# Altium PCB LimeSDR-X3_1v1.PcbDoc (part 23 of 25)
Units mm, origin at the board's own origin, x right, y up, seen from the top; angles counter-clockwise.
Board outline 232.5 x 111.15 mm, 12 copper layers (Top, L2, L3, L4, L5, L6, L7, L8, L9, L10, L11, Bottom), stack 1.596 mm thick; 2068 components, 1388 nets, 8930 pads, 3646 vias.
Unrouted connection lines stored in the file: 1.
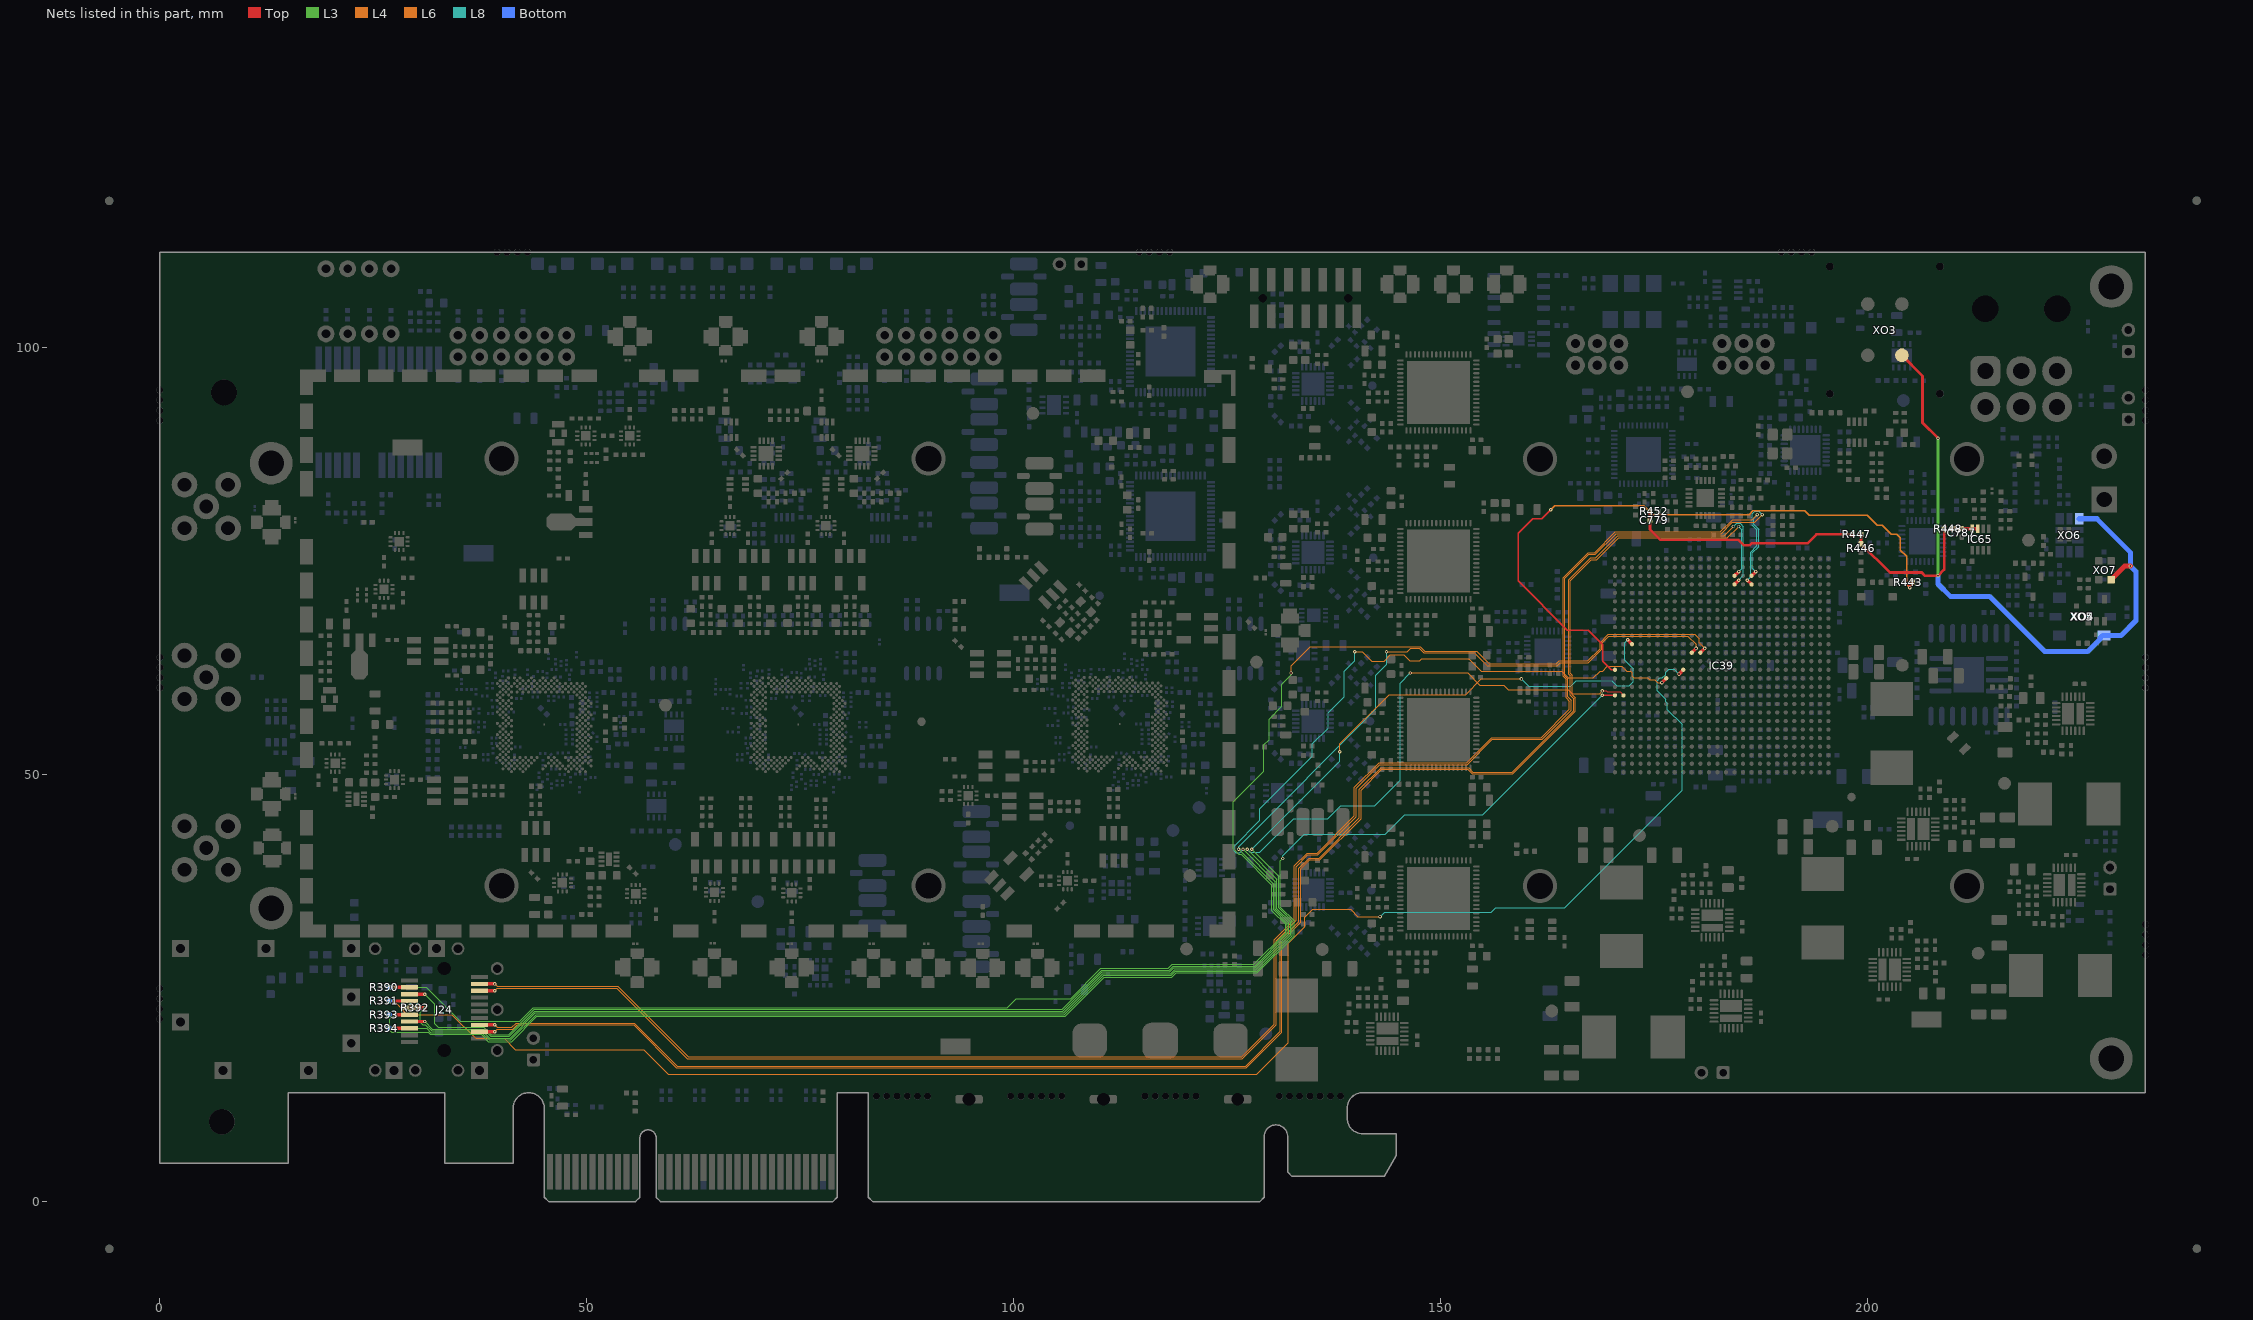
[diagram p33: the nets of this part, all layers, seen from the top]

## Via types
v1: diameter 0.4, hole 0.2, Top to Bottom, tented both sides, 3063 vias
v2: diameter 0.35, hole 0.2, Top to Bottom, tented both sides, 272 vias
v3: diameter 0.5, hole 0.2, Top to Bottom, tented bottom, 196 vias
v4: diameter 0.5, hole 0.2, Top to Bottom, tented both sides, 102 vias
v5: diameter 0.8, hole 0.4, Top to Bottom, tented both sides, 13 vias

## Nets (pads, with @x,y where several pads share a name; then routed paths per layer and width w, separated by ;. In a path a pad name is that pad's centre, name@x,y a point inside that pad or via, vN(x,y) a via of type N, cw(c..) or ccw(c..) an arc to the next point about the centre after c; other vN are vias at no path point) (continued)
WR_PTP_SFP_LOS: IC39.T24 J24.8 R394.2 | length 186.7
  Top w0.4: v1(27.391,20.291) J24.8@29.199,20.291 ; v1(171.875,65.775) IC39.T24@172.375,65.275
  L3 w0.1: v1(27.391,20.291) 31.241,20.291 31.732,19.8 32.015,19.8 32.016,19.799 37.684,19.799 38.542,18.941 41.091,18.941 44.049,21.899 105.907,21.899 110.507,26.499 118.416,26.499 118.892,26.975 128.425,26.975 132.601,31.151 132.601,32.799 131,34.4 131,38.1 v1(127.85,41.25)
  L8 w0.1: v1(127.85,41.25) 138.15,51.55 v1(138.15,52.675) ; v1(159.425,61.2) 160.275,60.35 165.175,60.35 165.825,61 170.025,61 170.6,60.425 172.075,60.425 172.525,60.875 172.525,62.4 171.525,63.4 171.525,65.425 v1(171.875,65.775)
  L6 w0.1: v1(138.15,52.675) 138.15,53.6 143.925,59.375 152.875,59.375 154.7,61.2 v1(159.425,61.2)
  Bottom w0.4: R394.2@26.766,20.291 v1(27.391,20.291)
WR_PTP_SFP_MOD_DEF0: IC39.K26 J24.6 R393.2 | length 172.9
  Top w0.2: v1(168.9,59.275) IC39.K26@170.375,59.275
  Top w0.4: v1(27.391,21.891) J24.6@29.199,21.891
  L3 w0.1: v1(27.391,21.891) 26.9,21.4 26.9,20.075 27.125,19.85 31.399,19.85 31.649,19.6 31.932,19.6 31.933,19.599 37.601,19.599 38.459,18.741 41.174,18.741 44.132,21.699 105.99,21.699 110.59,26.299 118.499,26.299 118.975,26.775 128.508,26.775 132.801,31.068 132.801,32.882 131.2,34.483 131.2,39.9 v1(131.475,40.175)
  L8 w0.1: v1(131.475,40.175) 131.475,40.525 133.975,43.025 143.5,43.025 145.75,45.275 154.9,45.275 v1(168.9,59.275)
  Bottom w0.4: R393.2@26.766,21.891 v1(27.391,21.891)
WR_PTP_SFP_MOD_DEF1: IC39.K25 J24.5 R392.2 | length 185.1
  Top w0.1: v1(168.9,59.8) 169.35,59.8 169.475,59.675 170.975,59.675 IC39.K25@171.375,59.275
  Top w0.4: J24.5@29.199,22.691 v1(31.007,22.691)
  L3 w0.1: v1(31.007,22.691) 30.475,22.159 30.475,21 30.75,20.725 31.09,20.725 31.815,20 32.098,20 32.099,19.999 37.767,19.999 38.625,19.141 41.008,19.141 43.966,22.099 105.824,22.099 110.424,26.699 118.333,26.699 118.809,27.175 128.342,27.175 132.401,31.234 132.401,32.716 130.8,34.317 130.8,37.775 v1(127.325,41.25)
  L4 w0.1: v1(146.4,61.9) 153.15,61.9 154.565,60.485 157.34,60.485 157.875,59.95 164.881,59.95 165.356,59.475 168.575,59.475 v1(168.9,59.8)
  L8 w0.1: v1(127.325,41.25) 127.675,40.9 128.8,40.9 132.75,44.85 136.725,44.85 138.25,46.375 142.25,46.375 145.225,49.35 145.225,60.725 v1(146.4,61.9)
  Bottom w0.4: R392.2@30.382,22.691 v1(31.007,22.691)
WR_PTP_SFP_MOD_DEF2: IC39.N18 J24.4 R391.2 | length 197.1
  Top w0.4: v1(27.391,23.491) J24.4@29.199,23.491 ; v1(177.875,61.775) IC39.N18@178.375,62.275
  L8 w0.1: v1(142.875,33.375) 143.4,33.9 155.9,33.9 156.4,34.4 164.5,34.4 178.275,48.175 178.275,55.872 176.525,57.622 176.525,58.3 176.3,58.525 176.3,58.85 175.325,59.825 175.325,60.725 175.325,61.003 175.647,61.325 175.937,61.325 176.325,61.713 176.325,62.003 176.647,62.325 177.325,62.325 v1(177.875,61.775)
  L6 w0.1: v1(27.391,23.491) 28.982,21.9 34.175,21.9 36.975,19.1 40.3,19.1 41.6,17.8 56.65,17.8 59.525,14.925 128.45,14.925 132.1,18.575 132.1,30.25 134.05,32.2 134.05,33.3 134.975,34.225 139.425,34.225 140.275,33.375 v1(142.875,33.375)
  Bottom w0.4: R391.2@26.766,23.491 v1(27.391,23.491)
WR_PTP_SFP_RATE_SEL: IC39.M20 J24.7 | length 191.7
  Top w0.4: J24.7@29.199,21.091 v1(31.007,21.091) ; v1(175.875,60.775) IC39.M20@176.375,61.275
  L3 w0.1: v1(31.007,21.091) 31.898,20.2 37.849,20.2 38.708,19.341 40.924,19.341 43.883,22.3 105.741,22.3 110.341,26.9 118.25,26.9 118.726,27.376 128.259,27.376 132.2,31.317 132.2,32.633 130.6,34.233 130.6,37.475 v1(126.825,41.25)
  L4 w0.1: v1(139.9,64.4) 140.8,64.4 141.9,63.3 143.35,63.3 144.075,64.025 145.625,64.025 146.325,63.325 147.525,63.325 147.775,63.575 153.275,63.575 154.725,62.125 164.121,62.125 164.921,61.325 167.825,61.325 168.625,62.125 168.925,62.125 169.5,62.7 171.2,62.7 171.775,62.125 172.2,62.125 172.4,61.925 172.4,61.525 172.6,61.325 174.241,61.325 174.441,61.125 175.025,61.125 175.375,60.775 v1(175.875,60.775)
  L8 w0.1: v1(126.825,41.25) 126.425,40.85 125.95,40.85 125.775,41.025 125.775,41.625 128.8,44.65 128.8,46 134.95,52.15 134.95,53.625 136.775,55.45 136.775,57.225 138.675,59.125 138.675,62.1 139.9,63.325 v1(139.9,64.4)
WR_PTP_SFP_RD_N: IC39.AD12 J24.12 | length 204.5
  Top w0.4: J24.12@37.399,19.891 v1(39.207,19.891) ; IC39.AD12@184.375,73.275 v1(184.875,73.775)
  L8 w0.1: v1(184.85,79.05) 185.225,78.675 185.225,74.125 v1(184.875,73.775)
  L6 w0.1: v1(39.207,19.891) 39.507,20.191 41.299,20.191 41.808,20.7 55.45,20.7 60.475,15.675 127.203,15.675 131.375,19.847 131.375,30.5 133.575,32.7 133.575,38.95 134.65,40.025 135.821,40.025 140.65,44.854 140.65,48.175 143.075,50.6 152.325,50.6 153.15,50.6 153.65,50.1 158.425,50.1 165.725,57.4 165.725,58.975 165.35,59.35 165.35,61.644 165.15,61.844 165.15,72.725 167.6,75.175 168.233,75.175 170.808,77.75 183.55,77.75 v1(184.85,79.05)
WR_PTP_SFP_RD_P: IC39.AC12 J24.13 | length 206.2
  Top w0.4: J24.13@37.399,20.691 v1(39.207,20.691) ; IC39.AC12@184.375,72.275 v1(184.875,72.775)
  L8 w0.1: v1(184.25,79.05) 184.625,79.425 185.05,79.425 185.425,79.05 185.425,73.325 v1(184.875,72.775)
  L6 w0.1: v1(39.207,20.691) 39.507,20.391 41.216,20.391 41.725,20.9 55.533,20.9 60.558,15.875 127.12,15.875 131.175,19.93 131.175,30.583 133.375,32.783 133.375,39.033 133.425,39.083 134.567,40.225 135.738,40.225 140.45,44.937 140.45,48.258 142.992,50.8 152.325,50.8 153.233,50.8 153.733,50.3 158.342,50.3 165.525,57.483 165.525,58.892 165.15,59.267 165.15,61.561 164.95,61.761 164.95,69.333 164.95,72.808 167.517,75.375 168.15,75.375 170.725,77.95 183.15,77.95 v1(184.25,79.05)
WR_PTP_SFP_TD_N: IC39.AD10 J24.19 | length 209.3
  Top w0.4: J24.19@37.399,25.491 v1(39.207,25.491) ; IC39.AD10@186.375,73.275 v1(186.875,73.775)
  L8 w0.1: v1(186.875,73.775) 186.475,74.175 186.475,75.975 187.2,76.7 187.2,78.733 186.625,79.308 186.625,80.025 v1(187.05,80.45)
  L6 w0.1: v1(39.207,25.491) 39.507,25.191 53.592,25.191 61.833,16.95 80.803,16.95 126.675,16.95 130.5,20.775 130.5,30.65 132.85,33 132.85,39.321 134.329,40.8 135.5,40.8 139.875,45.175 139.875,48.496 142.754,51.375 152.992,51.375 155.942,54.325 161.75,54.325 165.05,57.625 165.05,58.617 164.65,59.017 164.65,61.142 164.3,61.492 164.3,69.602 164.3,73.077 167.223,76 168,76 170.425,78.425 182.725,78.425 184.15,79.85 186.45,79.85 v1(187.05,80.45)
WR_PTP_SFP_TD_P: IC39.AC10 J24.18 | length 212.4
  Top w0.4: J24.18@37.399,24.691 v1(39.207,24.691) ; v1(185.875,72.775) IC39.AC10@186.375,72.275
  L8 w0.1: v1(185.875,72.775) 186.275,73.175 186.275,76.058 187,76.783 187,78.65 186.425,79.225 186.425,80.55 186.725,80.85 187.225,80.85 v1(187.625,80.45)
  L6 w0.1: v1(39.207,24.691) 39.507,24.991 53.509,24.991 61.75,16.75 126.758,16.75 130.7,20.692 130.7,30.567 133.05,32.917 133.05,32.962 133.05,39.238 134.412,40.6 135.583,40.6 140.075,45.092 140.075,48.413 142.837,51.175 153.075,51.175 156.025,54.125 161.833,54.125 165.25,57.542 165.25,58.7 164.85,59.1 164.85,61.225 164.5,61.575 164.5,72.994 167.306,75.8 168.083,75.8 170.508,78.225 182.808,78.225 184.133,79.55 186.725,79.55 v1(187.625,80.45)
WR_PTP_SFP_TX_DISABLE: IC39.R17 J24.3 | length 194.2
  Top w0.4: J24.3@29.199,24.291 v1(31.007,24.291) ; IC39.R17@179.375,64.275 v1(179.875,64.775)
  L3 w0.1: v1(31.007,24.291) 32.175,23.123 32.175,20.825 32.6,20.4 36.426,20.4 37.931,20.4 38.79,19.541 40.841,19.541 43.8,22.5 105.658,22.5 110.258,27.1 118.167,27.1 118.643,27.576 128.176,27.576 132,31.4 132,32.55 130.4,34.15 130.4,37.15 v1(126.3,41.25)
  L4 w0.1: v1(143.625,64.375) 146.075,64.375 146.475,64.775 147.467,64.775 147.992,64.25 153.925,64.25 155.402,62.773 163.598,62.773 163.95,63.125 167.275,63.125 168.825,64.675 168.825,65.375 169.675,66.225 178.92,66.225 179.875,65.27 v1(179.875,64.775)
  L8 w0.1: v1(126.3,41.25) 126.3,41.55 142.375,57.625 142.375,61.65 143.625,62.9 v1(143.625,64.375)
WR_PTP_SFP_TX_FAULT: IC39.R16 J24.2 R390.2 | length 203.2
  Top w0.4: v1(27.391,25.091) J24.2@29.199,25.091 ; IC39.R16@180.375,64.275 v1(180.875,64.775)
  L3 w0.1: v1(27.391,25.091) 31.209,25.091 35.175,21.125 42.142,21.125 43.717,22.7 99.225,22.7 100.275,23.75 106.625,23.75 110.175,27.3 118.084,27.3 118.56,27.776 128.093,27.776 131.8,31.483 131.8,32.467 130.2,34.067 130.2,37.067 126.592,40.675 126.35,40.675 125.7,41.325 125.7,46.825 129.25,50.375 129.25,53.475 129.875,54.1 129.875,56.475 131.375,57.975 131.375,60.6 132.45,61.675 v1(132.45,61.9)
  L4 w0.1: v1(132.45,61.9) 132.45,62.725 134.7,64.975 147.55,64.975 148.075,64.45 154.175,64.45 155.652,62.973 163.515,62.973 163.867,63.325 167.192,63.325 168.625,64.758 168.625,65.458 169.592,66.425 179.72,66.425 180.225,65.92 180.225,65.425 v1(180.875,64.775)
  Bottom w0.4: R390.2@26.766,25.091 v1(27.391,25.091)
XO_VC: R446.1 R447.1 R448.1 XO3.1 XO4.1 XO5.1 XO6.1 XO7.1 | length 92.9
  Top w0.325: R447.1@199.2,78.125 R446.1@199.2,77.025 202.575,73.65 206.3,73.65 206.675,73.275 v1(208.2,73.275) 208.925,74 R448.1@208.925,78.8 ; XO3.1@203.975,99.1 206.4,96.675 206.4,91.2 v1(208.2,89.4)
  Top w0.6: XO7.1@228.477,72.827 230.075,74.425 v1(230.725,74.425)
  L3 w0.4: v1(208.2,73.275) v1(208.2,89.4)
  Bottom w0.6: v1(208.2,73.275) 208.2,72.325 209.65,70.875 214.225,70.875 220.7,64.4 225.726,64.4 227.176,65.85 227.176,66 227.476,66.3 XO5.1@227.626,66.3 229.65,66.3 231.4,68.05 231.4,73.75 v1(230.725,74.425) 230.725,76.025 226.79,79.96 XO6.1@224.736,79.96
XO_VC_ADF: C779.2 R447.2 R452.2 | length 27.1
  Top w0.3: 174.486,78.715 175.726,77.475 184.838,77.475 185.438,76.875 186.175,76.875 186.375,77.075 192.9,77.075 193.95,78.125 R447.2@198.2,78.125
  Top w0.325: 174.486,78.715 C779.2@174.486,79.765 R452.2@174.486,80.815
XO_VC_DAC: C787.1 IC65.3 IC65.4 R448.2 | length 2.9
  Top w0.3: R448.2@209.925,78.8 C787.1@210.974,78.8
  Top w0.4: C787.1@210.974,78.8 210.984,78.79 IC65.4@212.2,78.79 IC65.3@212.85,78.79
XO_VC_FPGA: IC39.N26 R443.1 | length 77.5
  Top w0.15: v1(162.864,81.011) 161.829,79.975 160.736,79.975 159.025,78.264 159.025,72.679 164.804,66.9 167.254,66.9 168.925,65.229 168.925,63.3 169.95,62.275 IC39.N26@170.375,62.275
  Top w0.4: v1(204.9,71.9) 204.9,72.2 R443.1@205.225,72.525
  L4 w0.15: v1(162.864,81.011) 163.354,81.5 173.775,81.5 174.847,80.428 186.078,80.428 186.525,80.875 192.6,80.875 193.1,80.375 199.9,80.375 201.075,79.2 201.675,79.2 202.75,78.125 203.4,78.125 203.8,77.725 203.8,76.3 204.525,75.575 204.525,72.275 v1(204.9,71.9)
pads on no net: C1.0 C2.0 C3.0 C4.0 C5.0 C6.0 C7.0 C8.0 C9.0 C10.0 C11.0 C12.0 C13.0 C14.0 C15.0 C16.0 C17.0 C18.0 C19.0 C20.0 C21.0 C22.0 C23.0 C24.0 C25.0 C26.0 C27.0 C28.0 C29.0 C30.0 C31.0 C32.0 C33.0 C34.0 C35.0 C36.0 C37.0 C38.0 C39.0 C40.0 C41.0 C42.0 C43.0 C44.0 C45.0 C46.0 C47.0 C48.0 C49.0 C50.0 C51.0 C52.0 C53.0 C54.0 C55.0 C56.0 C57.0 C58.0 C59.0 C60.0 C61.0 C62.0 C63.0 C64.0 C65.0 C66.0 C67.0 C68.0 C69.0 C70.0 C71.0 C72.0 C73.0 C74.0 C75.0 C76.0 C77.0 C78.0 C79.0 C80.0 C81.0 C118.0 C177.0 C236.0 C259.0 C260.0 C261.0 C263.0 C264.0 C265.0 C266.0 C267.0 C268.0 C269.0 C270.0 C271.0 C272.0 C273.0 C274.0 C275.0 C276.0 C277.0 C278.0 C279.0 C280.0 C281.0 C282.0 C283.0 C284.0 C286.0 C287.0 C288.0 C289.0 C290.0 C291.0 C292.0 C293.0 C294.0 C295.0 C296.0 C297.0 C298.0 C299.0 C300.0 C301.0 C302.0 C303.0 C304.0 C306.0 C307.0 C308.0 C309.0 C310.0 C311.0 C312.0 C313.0 C314.0 C315.0 C316.0 C317.0 C318.0 C319.0 C320.0 C321.0 C322.0 C323.0 C324.0 C325.0 C326.0 C327.0 C328.0 C329.0 C330.0 C331.0 C333.0 C334.0 C335.0 C336.0 C337.0 C338.0 C339.0 C340.0 C341.0 C342.0 C343.0 C344.0 C345.0 C346.0 C347.0 C348.0 C349.0 C350.0 C351.0 C352.0 C353.0 C354.0 C355.0 C356.0 C357.0 C358.0 C359.0 C360.0 C361.0 C362.0 C363.0 C364.0 C365.0 C366.0 C367.0 C368.0 C369.0 C370.0 C371.0 C372.0 C373.0 C374.0 C375.0 C376.0 C377.0 C378.0 C379.0 C380.0 C381.0 C382.0 C383.0 C384.0 C385.0 C386.0 C387.0 C388.0 C389.0 C390.0 C391.0 C392.0 C393.0 C394.0 C395.0 C396.0 C397.0 C398.0 C399.0 C400.0 C401.0 C402.0 C403.0 C404.0 C405.0 C406.0 C407.0 C408.0 C409.0 C410.0 C411.0 C412.0 C413.0 C414.0 C415.0 C416.0 C417.0 C418.0 C419.0 C420.0 C421.0 C422.0 C423.0 C424.0 C425.0 C426.0 C427.0 C428.0 C429.0 C430.0 C431.0 C432.0 C433.0 C434.0 C435.0 C436.0 C437.0 C438.0 C439.0 C440.0 C441.0 C442.0 C443.0 C444.0 C445.0 C446.0 C447.0 C448.0 C449.0 C450.0 C451.0 C452.0 C453.0 C454.0 C455.0 C456.0 C457.0 C458.0 C459.0 C460.0 C461.0 C462.0 C463.0 C464.0 C465.0 C466.0 C467.0 C468.0 C469.0 C470.0 C471.0 C472.0 C473.0 C474.0 C475.0 C476.0 C477.0 C478.0 C479.0 C480.0 C481.0 C482.0 C483.0 C484.0 C485.0 C486.0 C487.0 C488.0 C489.0 C490.0 C491.0 C492.0 C493.0 C494.0 C495.0 C496.0 C497.0 C498.0 C499.0 C500.0 C501.0 C502.0 C503.0 C504.0 C505.0 C506.0 C507.0 C508.0 C509.0 C510.0 C511.0 C512.0 C513.0 C514.0 C515.0 C516.0 C517.0 C518.0 C519.0 C520.0 C521.0 C522.0 C523.0 C524.0 C525.0 C526.0 C527.0 C528.0 C529.0 C530.0 C531.0 C532.0 C533.0 C534.0 C535.0 C536.0 C537.0 C538.0 C539.0 C540.0 C541.0 C542.0 C543.0 C544.0 C545.0 C546.0 C547.0 C548.0 C549.0 C550.0 C551.0 C552.0 C553.0 C554.0 C555.0 C556.0 C557.0 C558.0 C559.0 C560.0 C561.0 C562.0 C563.0 C564.0 C565.0 C566.0 C567.0 C568.0 C569.0 C570.0 C571.0 C572.0 C573.0 C574.0 C575.0 C576.0 C577.0 C578.0 C579.0 C580.0 C581.0 C582.0 C583.0 C584.0 C585.0 C586.0 C587.0 C588.0 C589.0 C590.0 C591.0 C592.0 C593.0 C594.0 C595.0 C596.0 C597.0 C598.0 C599.0 C600.0 C601.0 C602.0 C603.0 C604.0 C605.0 C606.0 C607.0 C608.0 C609.0 C610.0 C611.0 C612.0 C613.0 C614.0 C615.0 C616.0 C617.0 C618.0 C619.0 C620.0 C621.0 C622.0 C623.0 C624.0 C625.0 C626.0 C627.0 C628.0 C629.0 C630.0 C631.0 C632.0 C633.0 C634.0 C635.0 C636.0 C637.0 C638.0 C639.0 C640.0 C641.0 C642.0 C643.0 C644.0 C645.0 C646.0 C647.0 C648.0 C649.0 C650.0 C651.0 C652.0 C653.0 C654.0 C655.0 C656.0 C657.0 C658.0 C659.0 C660.0 C661.0 C662.0 C663.0 C664.0 C665.0 C666.0 C667.0 C668.0 C669.0 C670.0 C671.0 C672.0 C673.0 C674.0 C675.0 C676.0 C677.0 C678.0 C679.0 C680.0 C681.0 C682.0 C683.0 C684.0 C685.0 C686.0 C687.0 C688.0 C689.0 C690.0 C691.0 C692.0 C693.0 C694.0 C695.0 C696.0 C697.0 C698.0 C699.0 C700.0 C701.0 C702.0 C703.0 C704.0 C705.0 C706.0 C707.0 C708.0 C709.0 C710.0 C711.0 C712.0 C713.0 C714.0 C715.0 C716.0 C717.0 C718.0 C719.0 C720.0 C721.0 C722.0 C723.0 C724.0 C725.0 C726.0 C727.0 C728.0 C729.0 C730.0 C731.0 C732.0 C733.0 C734.0 C735.0 C736.0 C737.0 C738.0 C739.0 C740.0 C741.0 C742.0 C743.0 C744.0 C745.0 C746.0 C747.0 C748.0 C749.0 C750.0 C751.0 C752.0 C753.0 C754.0 C755.0 C756.0 C757.0 C758.0 C759.0 C760.0 C761.0 C762.0 C763.0 C764.0 C765.0 C766.0 C767.0 C768.0 C769.0 C770.0 C771.0 C772.0 C773.0 C774.0 C775.0 C776.0 C777.0 C778.0 C779.0 C780.0 C781.0 C782.0 C783.0 C784.0 C785.0 C786.0 C787.0 C788.0 C789.0 C790.0 C791.0 C792.0 C793.0 C794.0 C795.0 C796.0 C797.0 C798.0 C799.0 C800.0 C801.0 C802.0 C803.0 C804.0 C805.0 C806.0 C807.0 C808.0 C809.0 C810.0 C811.0 C812.0 C813.0 C814.0 C815.0 C816.0 C817.0 C818.0 C819.0 C820.0 C821.0 C822.0 C823.0 C824.0 C825.0 C826.0 C827.0 C828.0 C829.0 C830.0 C831.0 C832.0 C833.0 C834.0 C835.0 C836.0 C837.0 C838.0 C839.0 C840.0 C841.0 C842.0 C843.0 C844.0 C845.0 C846.0 C847.0 C848.0 C849.0 C850.0 C851.0 C852.0 C853.0 C854.0 C855.0 C856.0 C857.0 C858.0 C859.0 C860.0 C861.0 C862.0 C863.0 C864.0 C865.0 C866.0 C867.0 C868.0 C869.0 C870.0 C871.0 C872.0 C873.0 C874.0 C875.0 C876.0 C877.0 C878.0 C879.0 C880.0 C881.0 C882.0 C883.0 C884.0 C885.0 C886.0 C887.0 C888.0 C889.0 C890.0 C891.0 C892.0 C893.0 C894.0 C895.0 C896.0 C897.0 C898.0 C899.0 C900.0 C901.0 C902.0 C903.0 C904.0 C905.0 C906.0 C907.0 C908.0 C909.0 C910.0 C911.0 C912.0 C913.0 C914.0 C915.0 C916.0 C917.0 C918.0 C919.0 C920.0 C921.0 C922.0 C923.0 C924.0 C925.0 C926.0 C927.0 C928.0 C929.0 C930.0 C931.0 C932.0 C933.0 C934.0 C935.0 C936.0 C937.0 C938.0 C939.0 C940.0 C941.0 C942.0 C943.0 C944.0 C945.0 C946.0 C947.0 F1.1 F2.1 F3.1 F4.1 F5.1 F6.1 F7.1 F8.1 FD1.1 FD2.1 FD3.1 FD4.1 FL17.1 FL18.1 FL19.1 FL20.1 FR100.0 FR101.0 FR102.0 FR103.0 FR104.0 FR105.0 FR106.0 FR107.0 FR108.0 FR109.0 FR110.0 FR111.0 FR112.0 FR113.0 FR114.0 FR115.0 FR116.0 FR117.0 FR118.0 FR119.0 FR120.0 FR121.0 FR122.0 FR123.0 FR124.0 FR125.0 FR126.0 FR127.0 FR128.0 FR129.0 FR130.0 FR131.0 FR132.0 FR133.0 FR134.0 FR135.0 FR137.0 FR138.0 FR139.0 FR140.0 FR142.0 FR143.0 FR144.0 FR145.0 FR146.0 FR147.0 FR148.0 FR149.0 FR150.0 FR151.0 FR152.0 FR153.0 FR154.0 FR155.0 FR156.0 FR157.0 FR158.0 FR159.0 FR160.0 FR161.0 FR162.0 FR163.0 FUSE1.0 FUSE2.0 IC1.A5 IC1.A21 IC1.AA1 IC1.AA3 IC1.AA5 IC1.AB2 IC1.AB4 IC1.AB6 IC1.AC3 IC1.AC5 IC1.AD2 IC1.AE1 IC1.AE5 IC1.AG3 IC1.AG33 IC1.AH2 IC1.AH4 IC1.AH32 IC1.AJ1 IC1.AJ3 IC1.AJ5 IC1.AJ11 IC1.AJ13 IC1.AJ21 IC1.AJ27 IC1.AJ29 IC1.AJ31 IC1.AJ33 IC1.AK2 IC1.AK4 IC1.AK6 IC1.AK8 IC1.AK10 IC1.AK26 IC1.AK28 IC1.AK30 IC1.AK32 IC1.AK34 IC1.AL3 IC1.AL5 IC1.AL7 IC1.AL9 IC1.AL11 IC1.AL27 IC1.AL29 IC1.AL31 IC1.AL33 IC1.AM6 IC1.AM10 IC1.AM28 IC1.AM30 IC1.AM34 IC1.AN27 IC1.AN29 IC1.AN31 IC1.AP30 IC1.AP32 IC1.B2 IC1.B4 IC1.B22 IC1.C1 IC1.C3 IC1.C5 IC1.C9 IC1.C13 IC1.C15 IC1.C17 IC1.C19 IC1.C31 IC1.D2 IC1.D4 IC1.D8 IC1.D10 IC1.D12 IC1.D14 IC1.D18 IC1.D22 IC1.D30 IC1.D32 IC1.E3 IC1.E9 IC1.E11 IC1.E13 IC1.E15 IC1.E23 IC1.E29 IC1.E31 IC1.F2 IC1.F4 IC1.F10 IC1.F12 IC1.F14 IC1.F16 IC1.F22 IC1.F26 IC1.F32 IC1.G1 IC1.G29 IC1.J1 IC1.M2 IC1.M6 IC1.P2 IC1.R3 IC1.R5 IC1.T4 IC1.T6 IC1.U1 IC1.U3 IC1.U5 IC1.V2 IC1.V4 IC1.V6 IC1.W3 IC1.Y2 IC1.Y4 IC1.Y6 IC3.A5 IC3.A9 IC3.A13 IC3.A21 IC3.AA1 IC3.AA3 IC3.AB30 IC3.AB32 IC3.AC29 IC3.AC31 IC3.AC33 IC3.AD30 IC3.AD32 IC3.AE1 IC3.AE5 IC3.AE31 IC3.AE33 IC3.AF30 IC3.AF34 IC3.AG3 IC3.AG31 IC3.AG33 IC3.AH2 IC3.AH4 IC3.AH32 IC3.AJ1 IC3.AJ3 IC3.AJ5 IC3.AJ11 IC3.AJ13 IC3.AJ21 IC3.AJ27 IC3.AJ29 IC3.AJ31 IC3.AJ33 IC3.AK2 IC3.AK4 IC3.AK6 IC3.AK8 IC3.AK10 IC3.AK26 IC3.AK28 IC3.AK30 IC3.AK32 IC3.AK34 IC3.AL3 IC3.AL5 IC3.AL7 IC3.AL9 IC3.AL11 IC3.AL27 IC3.AL29 IC3.AL31 IC3.AL33 IC3.AM6 IC3.AM10 IC3.AM28 IC3.AM30 IC3.AM34 IC3.AN27 IC3.AN29 IC3.AN31 IC3.AP30 IC3.AP32 IC3.B2 IC3.B4 IC3.B10 IC3.B14 IC3.B22 IC3.C1 IC3.C3 IC3.C5 IC3.C9 IC3.C13 IC3.C15 IC3.C17 IC3.C19 IC3.C31 IC3.D2 IC3.D4 IC3.D8 IC3.D10 IC3.D12 IC3.D14 IC3.D18 IC3.D22 IC3.D30 IC3.D32 IC3.E3 IC3.E9 IC3.E11 IC3.E13 IC3.E15 IC3.E23 IC3.E29 IC3.E31 IC3.F2 IC3.F4 IC3.F10 IC3.F12 IC3.F14 IC3.F16 IC3.F22 IC3.F26 IC3.F32 IC3.G1 IC3.G29 IC3.H30 IC3.J1 IC3.J31 IC3.K30 IC3.K32 IC3.K34 IC3.L31 IC3.M2 IC3.M6 IC3.M30 IC3.M32 IC3.N31 IC3.N33 IC3.P30 IC3.P32 IC3.R33 IC3.U5 IC3.V4 IC3.V6 IC3.W3 IC3.Y2 IC3.Y4 IC3.Y32 IC5.A5 IC5.A9 IC5.A21 IC5.AA1 IC5.AA3 IC5.AB30 IC5.AB32 IC5.AC29 IC5.AC31 IC5.AC33 IC5.AD30 IC5.AD32 IC5.AE1 IC5.AE5 IC5.AE31 IC5.AE33 IC5.AF30 IC5.AF34 IC5.AG3 IC5.AG31 IC5.AG33 IC5.AH2 IC5.AH4 IC5.AH32 IC5.AJ1 IC5.AJ3 IC5.AJ5 IC5.AJ11 IC5.AJ13 IC5.AJ21 IC5.AJ27 IC5.AJ29 IC5.AJ31 IC5.AJ33 IC5.AK2 IC5.AK4 IC5.AK6 IC5.AK8 IC5.AK10 IC5.AK26 IC5.AK28 IC5.AK30 IC5.AK32 IC5.AK34 IC5.AL3 IC5.AL5 IC5.AL7 IC5.AL9 IC5.AL11 IC5.AL27 IC5.AL29 IC5.AL31 IC5.AL33 IC5.AM6 IC5.AM10 IC5.AM28 IC5.AM30 IC5.AM34 IC5.AN27 IC5.AN29 IC5.AN31 IC5.AP30 IC5.AP32 IC5.B2 IC5.B4 IC5.B10 IC5.B22 IC5.C1 IC5.C3 IC5.C5 IC5.C9 IC5.C13 IC5.C15 IC5.C17 IC5.C19 IC5.C31 IC5.D2 IC5.D4 IC5.D8 IC5.D10 IC5.D12 IC5.D14 IC5.D18 IC5.D22 IC5.D30 IC5.D32 IC5.E3 IC5.E9 IC5.E11 IC5.E13 IC5.E15 IC5.E23 IC5.E29 IC5.E31 IC5.F2 IC5.F4 IC5.F10 IC5.F12 IC5.F14 IC5.F16 IC5.F22 IC5.F26 IC5.F32 IC5.G1 IC5.G29 IC5.H30 IC5.J1 IC5.J31 IC5.K30 IC5.K32 IC5.K34 IC5.L31 IC5.M2 IC5.M6 IC5.M30 IC5.M32 IC5.N31 IC5.N33 IC5.P2 IC5.P30 IC5.P32 IC5.R3 IC5.R5 IC5.R33 IC5.T4 IC5.T6 IC5.U1 IC5.U3 IC5.U5 IC5.V2 IC5.V4 IC5.V6 IC5.W3 IC5.Y2 IC5.Y4 IC5.Y32 IC13.0 IC14.0 IC16.0 IC18.0 IC19.0 IC21.0 IC27.0 IC35.0 IC39.AA11 IC39.AB11 IC39.AB19 IC39.AC8 IC39.AC19 IC39.AD8 IC39.AD19 IC39.AE7 IC39.AE9 IC39.AF7 IC39.AF9 IC39.C19 IC39.C23 IC39.E13 IC39.F13 IC39.G16 IC39.G20 IC39.G21 IC39.H3 IC39.H22 IC39.J8 IC39.L3 IC39.M17 IC39.N4 IC39.P3 IC39.R11 IC39.R12 IC39.U20 IC39.V9 IC39.V18 IC39.W18 IC39.Y15 IC39.Y21 IC41.3 IC41.4 IC41.5 IC41.6 IC41.11 IC41.12 IC41.13 IC41.14 IC42.9 IC44.1 IC44.2 IC44.3 IC44.7 IC44.PAD IC45.1 IC45.2 IC45.3 IC45.7 IC46.4 IC46.5 IC46.6 IC46.8 IC46.14 IC46.15 IC46.16 IC46.17 IC46.18 IC46.19 IC47.0 IC50.38 IC50.39 IC50.58 IC50.59 IC52.38 IC52.39 IC52.58 IC52.59 IC54.38 IC54.39 IC54.58 IC54.59 IC56.38 IC56.39 IC56.58 IC56.59 IC59.8 IC59.23 IC59.24 IC60.0 IC60.4 IC62.11 IC62.12 IC62.20 IC62.22 IC62.24 IC63.0 IC63.4 IC66.11 IC66.12 IC66.20 IC66.22 IC66.24 IC67.6 IC68.0 IC69.0 IC72.21 IC73.21 IC74.21 IC75.21 IC76.21 IC77.1 IC77.7 IC78.1 IC78.7 IC79.1 IC79.7 IC80.2 IC80.6 IC80.7 IC81.2 IC81.6 IC81.7 IC82.2 IC82.6 IC82.7 IC83.2 IC83.6 IC83.7 IC84.2 IC84.6 IC84.7 IC85.2 IC85.6 IC85.7 IC86.2 IC86.6 IC86.7 IC87.2 IC87.6 IC87.7 IC88.2 IC88.6 IC88.7 IC89.0 J14.12 J14.14 J14.MH1 J14.MH2 J24.MTG1 J24.MTG2 J36.0 L1.0 L2.0 L3.0 L4.0 L5.0 L6.0 L7.0 L8.0 L9.0 LED1.0 LED2.0 LED3.0 LED4.0 LED5.0 LED5.2 LED6.0 MECH19.13 MECH19.14 MECH19.15 MECH19.16 MECH19.17 MECH19.18 MECH19.19 MECH19.20 MN1.0 MN2.0 MN3.0 MN4.0 MN5.0 MN6.0 MN7.0 MN8.0 MN9.0 MN10.0 MN11.0 MN12.0 MN13.0 MN14.0 MN15.0 MN16.0 MN17.0 MN18.0 MN19.0 MN20.0 MN21.0 MN22.0 MN23.0 MN24.0 MN25.0 MN26.0 MN27.0 MN28.0 MN29.0 MN30.0 MN31.0 MN32.0 MN33.0 MN34.0 MN35.0 MN36.0 MN37.0 MN38.0 MN39.0 MN40.0 MN41.0 MN42.0 MN43.0 MN44.0 MN45.0 MN46.0 MN47.0 MN48.0 MN49.0 MN50.0 MN51.0 MN52.0 MN53.0 MN54.0 MN55.0 MN56.0 MN57.0 MN58.0 MN59.0 MN60.0 MN61.0 MN62.0 MN63.0 MN64.0 MN65.0 MN66.0 MN67.0 MN68.0 MN69.0 MN70.0 MN71.0 MN72.0 MN73.0 MN74.0 MN75.0 MN76.0 MN77.0 MN78.0 MN79.0 MN80.0 MN81.0 MN82.0 MN83.0 MN84.0 MN85.0 MN86.0 MN87.0 MN88.0 MN89.0 MN90.0 MN91.0 MN92.0 MN93.0 MN94.0 MN95.0 MN96.0 MN97.0 MN98.0 MN99.0 MN100.0 MN101.0 MN102.0 MN103.0 MN104.0 MN105.0 MN106.0 MN107.0 MN108.0 MN109.0 MN110.0 MN111.0 MN112.0 P1.A5 P1.A8 P1.A9 P1.A10 P1.A19 P1.A32 P1.B8 P1.B9 P1.B10 P1.B12 P1.B30 R1.0 R2.0 R3.0 R4.0 R5.0 R6.0 R7.0 R8.0 R9.0 R10.0 R11.0 R12.0 R13.0 R14.0 R15.0 R16.0 R17.0 R18.0 R19.0 R20.0 R21.0 R22.0 R23.0 R24.0 R25.0 R26.0 R27.0 R28.0 R29.0 R30.0 R31.0 R32.0 R33.0 R34.0 R35.0 R36.0 R37.0 R38.0 R39.0 R40.0 R41.0 R42.0 R43.0 R44.0 R45.0 R46.0 R47.0 R48.0 R49.0 R50.0 R51.0 R52.0 R53.0 R54.0 R55.0 R56.0 R57.0 R58.0 R59.0 R60.0 R61.0 R62.0 R63.0 R64.0 R65.0 R66.0 R67.0 R68.0 R69.0 R70.0 R71.0 R72.0 R73.0 R74.0 R75.0 R76.0 R80.0 R81.0 R82.0 R83.0 R84.0 R87.0 R88.0 R92.0 R93.0 R94.0 R95.0 R96.0 R99.0 R100.0 R104.0 R105.0 R106.0 R107.0 R108.0 R111.0 R112.0 R113.0 R114.0 R115.0 R116.0 R117.0 R118.0 R119.0 R120.0 R121.0 R122.0 R123.0 R124.0 R125.0 R126.0 R127.0 R128.0 R129.0 R130.0 R131.0 R132.0 R133.0 R134.0 R135.0 R136.0 R137.0 R138.0 R139.0 R140.0 R141.0 R142.0 R143.0 R144.0 R145.0 R146.0 R147.0 R148.0 R149.0 R150.0 R151.0 R152.0 R153.0 R154.0 R155.0 R156.0 R157.0 R158.0 R159.0 R160.0 R161.0 R162.0 R163.0 R164.0 R165.0 R166.0 R167.0 R168.0 R169.0 R170.0 R171.0 R172.0 R173.0 R174.0 R175.0 R176.0 R177.0 R178.0 R179.0 R180.0 R181.0 R182.0 R183.0 R184.0 R185.0 R186.0 R187.0 R188.0 R189.0 R190.0 R191.0 R192.0 R193.0 R194.0 R195.0 R196.0 R197.0 R198.0 R199.0 R200.0 R201.0 R202.0 R203.0 R204.0 R205.0 R206.0 R207.0 R208.0 R209.0 R210.0 R211.0 R212.0 R213.0 R214.0 R215.0 R216.0 R217.0 R218.0 R219.0 R220.0 R221.0 R222.0 R223.0 R224.0 R225.0 R226.0 R227.0 R228.0 R229.0 R230.0 R231.0 R232.0 R233.0 R234.0 R235.0 R236.0 R237.0 R238.0 R239.0 R240.0 R241.0 R242.0 R243.0 R244.0 R245.0 R246.0 R247.0 R248.0 R249.0 R250.0 R251.0 R252.0 R253.0 R254.0 R255.0 R256.0 R257.0 R258.0 R259.0 R260.0 R261.0 R262.0 R263.0 R264.0 R265.0 R266.0 R267.0 R268.0 R269.0 R270.0 R271.0 R272.0 R273.0 R274.0 R275.0 R276.0 R277.0 R278.0 R279.0 R280.0 R281.0 R282.0 R283.0 R284.0 R285.0 R286.0 R287.0 R288.0 R289.0 R290.0 R291.0 R292.0 R293.0 R294.0 R295.0 R296.0 R297.0 R298.0 R299.0 R300.0 R301.0 R302.0 R303.0 R304.0 R305.0 R306.0 R307.0 R308.0 R309.0 R310.0 R311.0 R312.0 R313.0 R314.0 R315.0 R316.0 R317.0 R318.0 R319.0 R320.0 R321.0 R322.0 R323.0 R324.0 R325.0 R326.0 R327.0 R328.0 R329.0 R330.0 R331.0 R332.0 R333.0 R334.0 R335.0 R336.0 R337.0 R338.0 R339.0 R340.0 R341.0 R342.0 R343.0 R344.0 R345.0 R346.0 R347.0 R348.0 R349.0 R350.0 R351.0 R352.0 R353.0 R354.0 R355.0 R356.0 R357.0 R358.0 R359.0 R360.0 R361.0 R362.0 R363.0 R364.0 R365.0 R366.0 R367.0 R368.0 R369.0 R370.0 R371.0 R372.0 R373.0 R374.0 R375.0 R376.0 R377.0 R378.0 R379.0 R380.0 R381.0 R382.0 R383.0 R384.0 R385.0 R386.0 R387.0 R388.0 R389.0 R390.0 R391.0 R392.0 R393.0 R394.0 R395.0 R396.0 R397.0 R398.0 R399.0 R400.0 R401.0 R402.0 R403.0 R404.0 R405.0 R406.0 R407.0 R408.0 R409.0 R410.0 R411.0 R412.0 R413.0 R414.0 R415.0 R416.0 R417.0 R418.0 R419.0 R420.0 R421.0 R422.0 R423.0 R424.0 R425.0 R426.0 R427.0 R428.0 R429.0 R430.0 R431.0 R432.0 R433.0 R434.0 R435.0 R436.0 R437.0 R438.0 R439.0 R440.0 R441.0 R442.0 R443.0 R444.0 R445.0 R446.0 R447.0 R448.0 R449.0 R450.0 R451.0 R452.0 R453.0 R454.0 R455.0 R456.0 R457.0 R458.0 R459.0 R460.0 R461.0 R462.0 R463.0 R464.0 R465.0 R466.0 R467.0 R468.0 R469.0 R470.0 R471.0 R472.0 R473.0 R474.0 R475.0 R476.0 R477.0 R478.0 R479.0 R480.0 R481.0 R482.0 R483.0 R484.0 R485.0 R486.0 R487.0 R488.0 R489.0 R490.0 R491.0 R492.0 R493.0 R494.0 R495.0 R496.0 R497.0 R498.0 R499.0 R500.0 R501.0 R502.0 R503.0 R504.0 R505.0 R506.0 R507.0 R508.0 R509.0 R510.0 R511.0 R512.0 R513.0 R514.0 R515.0 R516.0 R517.0 R518.0 R519.0 R520.0 R521.0 R522.0 R523.0 R524.0 R525.0 R526.0 R527.0 R528.0 R529.0 R530.0 R531.0 R532.0 R533.0 R534.0 R535.0 R536.0 R537.0 R538.0 R539.0 R540.0 R541.0 R542.0 R543.0 R544.0 R545.0 R546.0 R547.0 R548.0 R549.0 R550.0 R551.0 R552.0 R553.0 R554.0 R555.0 R556.0 R557.0 R558.0 R559.0 R560.0 R561.0 R562.0 R563.0 R564.0 R565.0 R566.0 R567.0 R568.0 R569.0 R570.0 R571.0 R572.0 R573.0 R574.0 R575.0 R576.0 R577.0 R578.0 R579.0 R580.0 R581.0 R582.0 R583.0 R584.0 R585.0 R586.0 T1.1 T1.5 T2.1 T2.5 T3.2 T4.2 T5.2 T6.2 T7.1 T7.5 T8.1 T8.5 T9.1 T9.5 T10.1 T10.5 T11.1 T11.5 T12.1 T12.5 T13.1 T13.5 T14.1 T14.5 T15.2 T16.1 T16.5 T17.1 T17.5 T18.2 T19.2 VT1.0 VT2.0 XO2.5 XO3.0 XO4.3 XO6.2 XO6.3 XO6.5 XO6.8 XO6.10 XO8.0 XO8.2 XT1.0